# Altium PCB Copy of DIOT_temperature_logger.PcbDoc (part 6 of 7) (continued)
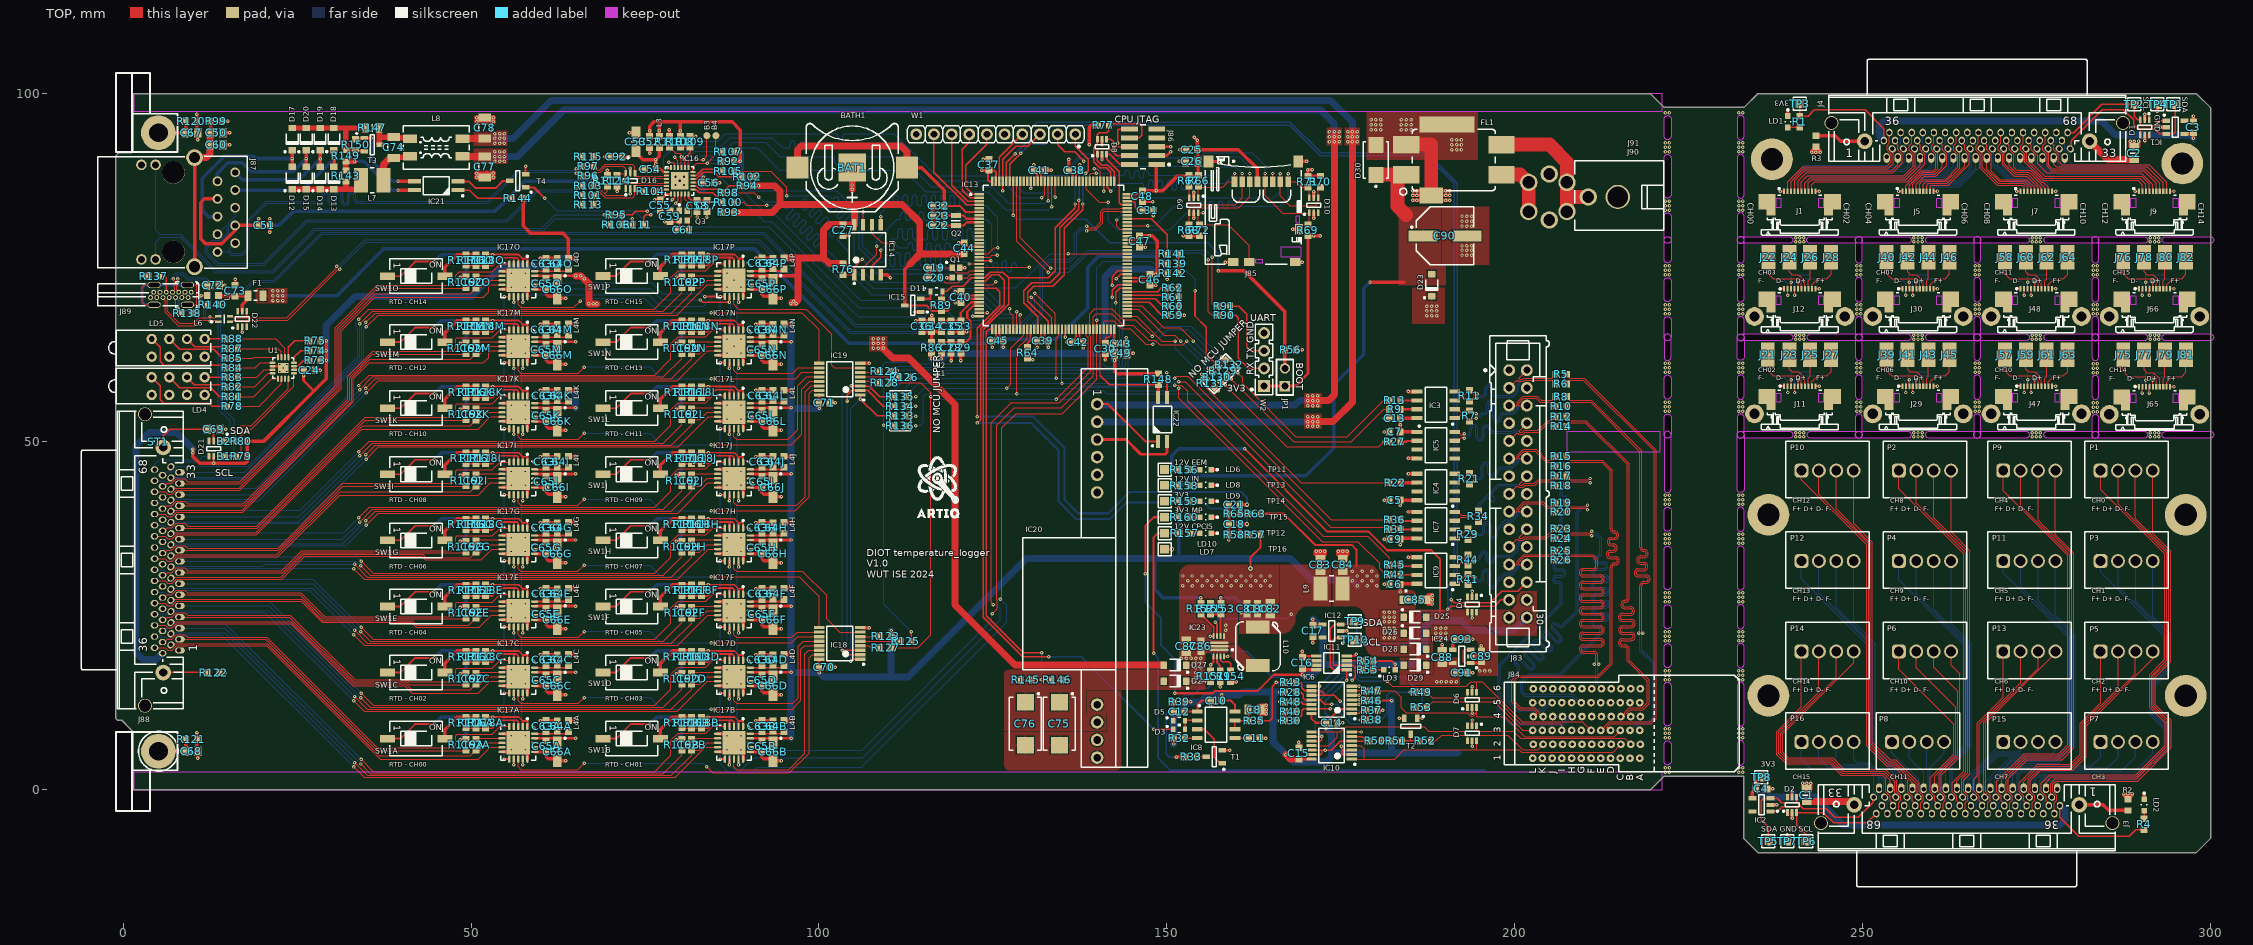
[diagram p0: TOP view]
## Nets (pads, with @x,y where several pads share a name; then routed paths per layer and width w, separated by ;. In a path a pad name is that pad's centre, name@x,y a point inside that pad or via, vN(x,y) a via of type N, cw(c..) or ccw(c..) an arc to the next point about the centre after c; other vN are vias at no path point) (continued)
RMII_RXD0: IC13.44 R98.1 | length 66
  TOP w0.171: R98.1@87.8,85.8 90.725,85.8 v1(91.35,85.175) ; IC13.44@128.45,66.175 v1(128.45,68.7)
  BOT w0.171: v1(91.35,85.175) 92.05,84.475 96.992,84.475 97.112,84.475 ccw(c97.112,85.054) 97.521,84.644 97.69,84.812 cw(c97.93,84.572) 98.17,84.812 cw(c97.93,84.572) 98.17,84.333 97.731,83.893 ccw(c97.97,83.654) 97.731,83.414 ccw(c97.97,83.654) 98.21,83.414 98.904,84.107 cw(c99.144,83.867) 99.384,84.107 cw(c99.144,83.867) 99.384,83.628 98.69,82.934 ccw(c98.93,82.694) 98.69,82.454 ccw(c98.93,82.694) 99.17,82.454 99.864,83.148 cw(c100.104,82.908) 100.344,83.148 cw(c100.104,82.908) 100.344,82.668 99.65,81.974 ccw(c99.89,81.734) 99.65,81.494 ccw(c99.89,81.734) 100.13,81.494 100.824,82.188 cw(c101.064,81.948) 101.304,82.188 cw(c101.064,81.948) 101.304,81.708 100.61,81.014 ccw(c100.85,80.774) 100.61,80.534 ccw(c100.85,80.774) 101.09,80.534 101.783,81.228 cw(c102.023,80.988) 102.263,81.228 cw(c102.023,80.988) 102.263,80.748 101.57,80.054 ccw(c101.81,79.815) 101.57,79.575 ccw(c101.81,79.815) 102.049,79.575 102.528,80.053 cw(c102.768,79.813) 103.008,80.053 cw(c102.768,79.813) 103.008,79.574 102.77,79.335 ccw(c103.01,79.095) 102.77,78.855 104.352,77.273 104.412,77.212 104.412,75.463 107.8,72.075 122.725,72.075 126.475,68.325 128.075,68.325 v1(128.45,68.7)
RMII_RXD1: IC13.45 R100.1 | length 66.1
  TOP w0.171: R100.1@87.8,84.4 89.175,84.4 89.575,84 v1(92.5,84) ; IC13.45@128.95,66.175 v1(128.95,68.225)
  BOT w0.171: v1(92.5,84) 94.725,84 95.063,83.662 95.123,83.602 ccw(c95.363,83.842) 95.603,83.602 95.668,83.667 cw(c95.908,83.427) 96.148,83.667 cw(c95.908,83.427) 96.148,83.187 95.422,82.461 ccw(c95.662,82.221) 95.422,81.981 ccw(c95.662,82.221) 95.902,81.981 96.628,82.707 cw(c96.868,82.467) 97.108,82.707 cw(c96.868,82.467) 97.108,82.227 96.381,81.501 ccw(c96.621,81.261) 96.381,81.021 ccw(c96.621,81.261) 96.861,81.021 97.587,81.747 cw(c97.827,81.508) 98.067,81.747 cw(c97.827,81.508) 98.067,81.268 97.341,80.541 ccw(c97.581,80.302) 97.341,80.062 ccw(c97.581,80.302) 97.821,80.062 98.547,80.788 cw(c98.787,80.548) 99.027,80.788 cw(c98.787,80.548) 99.027,80.308 98.301,79.582 ccw(c98.541,79.342) 98.301,79.102 ccw(c98.541,79.342) 98.781,79.102 99.507,79.828 cw(c99.747,79.588) 99.987,79.828 cw(c99.747,79.588) 99.987,79.348 99.261,78.622 ccw(c99.501,78.382) 99.261,78.142 ccw(c99.501,78.382) 99.741,78.142 100.343,78.745 cw(c100.583,78.505) 100.823,78.745 cw(c100.583,78.505) 100.823,78.265 100.402,77.843 ccw(c100.642,77.603) 100.402,77.364 ccw(c100.642,77.603) 100.882,77.364 cw(c101.122,77.124) 101.361,77.364 105.945,72.78 106.005,72.72 107.625,71.1 122.65,71.1 125.95,67.8 128.525,67.8 v1(128.95,68.225)
RMII_TX_EN: IC13.126 IC16.16 | length 65.3
  TOP w0.171: v1(79.275,90.9) 79.75,90.425 IC16.16@79.75,89.4 ; v1(133.95,85.125) IC13.126@133.95,87.425
  BOT w0.171: v1(79.275,90.9) 79.275,91.375 81.075,93.175 85.475,93.175 86.575,94.275 101.673,94.275 102.437,94.275 cw(c102.437,93.936) 102.777,93.936 102.777,93.719 ccw(c103.116,93.719) 103.116,93.38 ccw(c103.116,93.719) 103.455,93.719 103.455,93.936 cw(c103.794,93.936) 103.794,94.275 109.052,94.275 110.85,94.275 116.9,88.225 127.05,88.225 129.45,85.825 133.25,85.825 v1(133.95,85.125)
RMII_TXD0: IC13.128 IC16.17 | length 65.4
  TOP w0.171: v1(78.425,90.15) 79.035,90.15 79.25,89.935 IC16.17@79.25,89.4 ; v1(132.95,84.65) IC13.128@132.95,87.425
  BOT w0.171: v1(78.425,90.15) 78.514,90.15 78.639,90.025 80.45,90.025 82.15,91.725 86.4,91.725 87.7,93.025 92.4,93.025 94.475,90.95 101.198,90.95 101.962,90.95 cw(c101.962,90.611) 102.302,90.611 102.302,90.217 ccw(c102.641,90.217) 102.641,89.878 ccw(c102.641,90.217) 102.98,90.217 102.98,90.611 cw(c103.32,90.611) 103.32,90.95 105.889,90.95 111.875,90.95 116.15,86.675 124.95,86.675 127.325,84.3 132.6,84.3 v1(132.95,84.65)
RMII_TXD1: IC13.127 IC16.18 | length 65.8
  TOP w0.171: v1(78.275,89.4) IC16.18@78.75,89.4 ; v1(133.45,83.775) IC13.127@133.45,87.425
  BOT w0.171: v1(78.275,89.4) 80.825,89.4 82.55,91.125 87.125,91.125 88.25,92.25 91.125,92.25 94.325,89.05 97.08,89.05 97.844,89.05 cw(c97.844,88.711) 98.183,88.711 98.183,88.362 ccw(c98.523,88.362) 98.523,88.022 ccw(c98.523,88.362) 98.862,88.362 98.862,88.711 cw(c99.201,88.711) 99.201,89.05 103.998,89.05 112.3,89.05 115.4,85.95 124.275,85.95 126.85,83.375 133.05,83.375 v1(133.45,83.775)
RST: IC8.3 T1.1 | length 7.1
  TOP w0.2: IC8.3@154.4,8.665 155.41,8.665 156.825,7.25 156.825,4.65 157.725,3.75 T1.1@157.975,3.75
RSTn: D3.1 D11.2 IC13.25 J86.10 R89.1 | length 132.9
  TOP w0.2: R89.1@117.6,70.4 117.75,70.55 D11.2@117.75,71.6 118.375,71.6 119.15,72.375 120.725,72.375 121.9,73.55 IC13.25@123.075,73.55 123.825,73.55 124.65,74.375 126.448,74.375 127.273,73.55 ; v1(133.05,19.1) 129.3,19.1 123.625,24.775 123.625,66.125 125.025,67.525 125.029,67.525 126.653,69.149 126.653,69.153 127.273,69.773 127.273,73.55 ; v1(136.875,84.175) 136.875,83.625 134,80.75 134,74.6 132.95,73.55 127.273,73.55 ; v1(142.95,92.925) 142.95,94.772 143.118,94.94 J86.10@144.65,94.94 ; v1(148.125,8.665) 148.165,8.625 148.225,8.625 148.265,8.665 D3.1@150.95,8.665
  BOT w0.152: v1(136.875,84.175) 136.875,90.025 137.675,90.825 139.5,90.825 140.525,89.8 141.2,89.8 142.95,91.55 v1(142.95,92.925)
  BOT w0.2: v1(133.05,19.1) 137.69,19.1 v1(148.125,8.665)
RTDIN_N00: C62A.1 IC17A.8 J88.2 | length 55.1
  TOP w0.152: J88.2@6.85,20.795 6.984,20.929 20.716,20.929 36.82,4.825 49.9,4.825 C62A.1@50.7,5.625 51.325,5.625 52.425,6.725 IC17A.8@54.45,6.725
RTDIN_N01: C62B.1 IC17B.8 J88.4 | length 89.5
  TOP w0.152: v1(33.25,3.875) 35.097,2.028 78.806,2.028 81.7,4.921 C62B.1@81.7,5.625 82.85,5.625 83.95,6.725 IC17B.8@85.45,6.725
  BOT w0.152: J88.4@6.85,22.395 6.984,22.529 14.596,22.529 v1(33.25,3.875)
RTDIN_N02: C62C.1 IC17C.8 J88.6 | length 52.5
  TOP w0.152: J88.6@6.85,23.995 6.984,24.129 24.171,24.129 33.104,15.196 40.617,15.196 41.488,14.325 49.9,14.325 C62C.1@50.7,15.125 51.325,15.125 52.425,16.225 IC17C.8@54.45,16.225
RTDIN_N03: C62D.1 IC17D.8 J88.8 | length 127.9
  TOP w0.152: v1(33.25,13.375) 35.097,11.528 37.411,11.528 ; 78.397,11.528 37.411,11.528 ; IC17D.8@85.45,16.225 83.95,16.225 82.85,15.125 C62D.1@81.7,15.125 81.7,14.421 78.806,11.528 37.411,11.528
  BOT w0.152: J88.8@6.85,25.595 6.984,25.729 20.896,25.729 v1(33.25,13.375)
RTDIN_N04: C62E.1 IC17E.8 J88.10 | length 50.1
  TOP w0.152: J88.10@6.85,27.195 6.984,27.329 25.68,27.329 28.714,24.296 41.531,24.296 42.223,23.604 49.679,23.604 C62E.1@50.7,24.625 51.325,24.625 52.425,25.725 IC17E.8@54.45,25.725
RTDIN_N05: C62F.1 IC17F.8 J88.12 | length 84.3
  TOP w0.152: v1(33.25,22.875) 35.097,21.028 78.806,21.028 81.7,23.921 C62F.1@81.7,24.625 82.85,24.625 83.95,25.725 IC17F.8@85.45,25.725
  BOT w0.152: J88.12@6.85,28.795 6.983,28.928 27.197,28.928 v1(33.25,22.875)
RTDIN_N06: C62G.1 IC17G.8 J88.14 | length 50
  TOP w0.152: J88.14@6.85,30.395 6.984,30.529 22.679,30.529 25.946,33.796 43.029,33.796 43.5,33.325 49.9,33.325 C62G.1@50.7,34.125 51.325,34.125 52.425,35.225 IC17G.8@54.45,35.225
RTDIN_N07: C62H.1 IC17H.8 J88.16 | length 81.9
  TOP w0.152: v1(33.25,32.375) 35.097,30.528 78.806,30.528 81.7,33.421 C62H.1@81.7,34.125 82.85,34.125 83.95,35.225 IC17H.8@85.45,35.225
  BOT w0.152: J88.16@6.85,31.995 6.983,32.128 20.079,32.128 20.327,32.375 v1(33.25,32.375)
RTDIN_N08: C62I.1 IC17I.8 J88.18 | length 52.2
  TOP w0.152: J88.18@6.85,33.595 6.984,33.729 22.104,33.729 31.2,42.825 49.9,42.825 C62I.1@50.7,43.625 51.325,43.625 52.425,44.725 IC17I.8@54.45,44.725
RTDIN_N09: C62J.1 IC17J.8 J88.20 | length 83
  TOP w0.152: v1(34.886,38.66) 36.254,40.028 36.878,40.028 78.806,40.028 81.7,42.921 C62J.1@81.7,43.625 82.85,43.625 83.95,44.725 IC17J.8@85.45,44.725
  BOT w0.152: J88.20@6.85,35.195 6.984,35.329 31.556,35.329 v1(34.886,38.66)
RTDIN_N10: C62K.1 IC17K.8 J88.22 | length 54.8
  TOP w0.152: J88.22@6.85,36.795 6.984,36.929 19.029,36.929 34.425,52.325 49.9,52.325 C62K.1@50.7,53.125 51.325,53.125 52.425,54.225 IC17K.8@54.45,54.225
RTDIN_N11: C62L.1 IC17L.8 J88.24 | length 85.6
  TOP w0.152: v1(34.886,48.16) 36.254,49.528 36.878,49.528 78.806,49.528 81.7,52.421 C62L.1@81.7,53.125 82.85,53.125 83.95,54.225 IC17L.8@85.45,54.225
  BOT w0.152: J88.24@6.85,38.395 6.984,38.529 25.256,38.529 v1(34.886,48.16)
RTDIN_N12: C62M.1 IC17M.8 J88.26 | length 59.4
  TOP w0.152: J88.26@6.85,39.995 6.984,40.129 17.1,40.129 32.821,55.85 32.821,59.171 35.475,61.825 49.9,61.825 C62M.1@50.7,62.625 51.325,62.625 52.425,63.725 IC17M.8@54.45,63.725
RTDIN_N13: C62N.1 IC17N.8 J88.28 | length 88.2
  TOP w0.152: v1(34.886,57.66) 36.254,59.028 36.878,59.028 78.806,59.028 81.7,61.921 C62N.1@81.7,62.625 82.85,62.625 83.95,63.725 IC17N.8@85.45,63.725
  BOT w0.152: J88.28@6.85,41.595 6.984,41.729 18.956,41.729 v1(34.886,57.66)
RTDIN_N14: C62O.1 IC17O.8 J88.30 | length 64.9
  TOP w0.152: J88.30@6.85,43.195 6.984,43.329 16.654,43.329 31.046,57.721 31.046,66.121 36.225,71.3 49.9,71.3 C62O.1@50.7,72.1 51.325,72.1 52.425,73.2 IC17O.8@54.45,73.2
RTDIN_N15: C62P.1 IC17P.8 J88.32 | length 93.5
  TOP w0.152: v1(34.886,67.16) 36.206,68.479 78.758,68.479 81.7,71.421 C62P.1@81.7,72.125 82.85,72.125 83.95,73.225 IC17P.8@85.45,73.225
  BOT w0.152: J88.32@6.85,44.795 6.984,44.929 17.234,44.929 34.266,61.961 34.266,66.539 v1(34.886,67.16)
RTDIN_P00: C62A.2 IC17A.7 J88.3 R119A.2 | length 53.6
  TOP w0.152: J88.3@8,21.595 20.505,21.595 36.525,5.575 49.3,5.575 R119A.2@49.3,5.625 R119A.2@49.3,5.825 ; R119A.2@49.35,5.625 50.276,6.551 C62A.2@50.276,6.826 ; C62A.2@50.7,7.225 50.85,7.375 IC17A.7@54.45,7.375
RTDIN_P01: C62B.2 IC17B.7 J88.5 R119B.2 | length 88.8
  TOP w0.152: v1(34.15,3.675) 35.518,2.307 77.661,2.307 80.3,4.946 R119B.2@80.3,5.625 80.35,5.625 81.276,6.551 81.276,6.826 81.675,7.225 C62B.2@81.7,7.225 81.85,7.375 IC17B.7@85.45,7.375
  BOT w0.152: J88.5@8,23.195 14.63,23.195 v1(34.15,3.675)
RTDIN_P02: C62C.2 IC17C.7 J88.7 R119C.2 | length 51
  TOP w0.152: J88.7@8,24.795 23.9,24.795 33.22,15.475 40.733,15.475 41.133,15.075 49.3,15.075 R119C.2@49.3,15.125 R119C.2@49.3,15.325 ; R119C.2@49.35,15.125 50.276,16.051 C62C.2@50.276,16.326 ; C62C.2@50.7,16.725 50.85,16.875 IC17C.7@54.45,16.875
RTDIN_P03: C62D.2 IC17D.7 J88.9 R119D.2 | length 86.2
  TOP w0.152: v1(34.15,13.175) 35.518,11.807 77.661,11.807 80.3,14.446 R119D.2@80.3,15.125 80.35,15.125 81.276,16.051 81.276,16.326 81.675,16.725 C62D.2@81.7,16.725 81.85,16.875 IC17D.7@85.45,16.875
  BOT w0.152: J88.9@8,26.395 20.93,26.395 v1(34.15,13.175)
RTDIN_P04: C62E.2 IC17E.7 J88.11 R119E.2 | length 48.4
  TOP w0.152: J88.11@8,27.995 25.41,27.995 28.83,24.575 49.3,24.575 R119E.2@49.3,24.625 R119E.2@49.3,24.725 ; R119E.2@49.35,24.625 50.276,25.551 C62E.2@50.276,25.826 ; C62E.2@50.7,26.125 C62E.2@50.7,26.225 50.85,26.375 IC17E.7@54.45,26.375
RTDIN_P05: C62F.2 IC17F.7 J88.13 R119F.2 | length 83.5
  TOP w0.152: v1(34.15,22.675) 35.518,21.307 77.661,21.307 80.3,23.946 R119F.2@80.3,24.625 80.35,24.625 81.276,25.551 81.276,25.826 81.675,26.225 C62F.2@81.7,26.225 81.85,26.375 IC17F.7@85.45,26.375
  BOT w0.152: J88.13@8,29.595 27.23,29.595 v1(34.15,22.675)
RTDIN_P06: C62G.2 IC17G.7 J88.15 R119G.2 | length 47.7
  TOP w0.152: J88.15@8,31.195 22.92,31.195 25.8,34.075 R119G.2@49.3,34.075 ; R119G.2@49.35,34.162 50.276,35.089 C62G.2@50.276,35.364 ; C62G.2@50.85,35.875 IC17G.7@54.45,35.875
RTDIN_P07: C62H.2 IC17H.7 J88.17 R119H.2 | length 81
  TOP w0.152: v1(34.15,32.175) 35.518,30.807 77.661,30.807 80.3,33.446 R119H.2@80.3,34.125 80.35,34.125 81.276,35.051 81.276,35.326 81.675,35.725 C62H.2@81.7,35.725 81.85,35.875 IC17H.7@85.45,35.875
  BOT w0.152: J88.17@8,32.795 21.074,32.795 21.111,32.832 33.493,32.832 v1(34.15,32.175)
RTDIN_P08: C62I.2 IC17I.7 J88.19 R119I.2 | length 50.5
  TOP w0.152: J88.19@8,34.395 22.375,34.395 31.555,43.575 R119I.2@49.3,43.575 ; R119I.2@49.35,43.662 50.276,44.589 C62I.2@50.276,44.864 ; C62I.2@50.7,45.225 50.85,45.375 IC17I.7@54.45,45.375
RTDIN_P09: C62J.2 IC17J.7 J88.21 R119J.2 | length 81.9
  TOP w0.152: v1(33.986,38.46) 35.834,40.307 36.79,40.307 77.661,40.307 80.3,42.946 R119J.2@80.3,43.625 80.35,43.625 81.276,44.551 81.276,44.826 81.675,45.225 C62J.2@81.7,45.225 81.85,45.375 IC17J.7@85.45,45.375
  BOT w0.152: J88.21@8,35.995 31.522,35.995 v1(33.986,38.46)
RTDIN_P10: C62K.2 IC17K.7 J88.23 R119K.2 | length 53.4
  TOP w0.152: J88.23@8,37.595 19.3,37.595 34.78,53.075 49.3,53.075 R119K.2@49.3,53.125 R119K.2@49.3,53.325 ; R119K.2@49.35,53.125 50.276,54.051 C62K.2@50.276,54.326 ; C62K.2@50.7,54.725 50.85,54.875 IC17K.7@54.45,54.875
RTDIN_P11: C62L.2 IC17L.7 J88.25 R119L.2 | length 84.5
  TOP w0.152: v1(33.986,47.96) 35.834,49.807 36.79,49.807 77.661,49.807 80.3,52.446 R119L.2@80.3,53.125 80.35,53.125 81.276,54.051 81.276,54.326 81.675,54.725 C62L.2@81.7,54.725 81.85,54.875 IC17L.7@85.45,54.875
  BOT w0.152: J88.25@8,39.195 25.222,39.195 v1(33.986,47.96)
RTDIN_P12: C62M.2 IC17M.7 J88.27 R119M.2 | length 57.9
  TOP w0.152: J88.27@8,40.795 17.37,40.795 32.541,55.966 32.541,59.286 35.83,62.575 49.3,62.575 R119M.2@49.3,62.625 R119M.2@49.3,62.825 ; R119M.2@49.35,62.625 50.276,63.551 C62M.2@50.276,63.826 ; C62M.2@50.7,64.225 50.85,64.375 IC17M.7@54.45,64.375
RTDIN_P13: C62N.2 IC17N.7 J88.29 R119N.2 | length 87.1
  TOP w0.152: v1(33.986,57.46) 35.834,59.307 36.79,59.307 77.661,59.307 80.3,61.946 R119N.2@80.3,62.625 80.35,62.625 81.276,63.551 81.276,63.826 81.675,64.225 C62N.2@81.7,64.225 81.85,64.375 IC17N.7@85.45,64.375
  BOT w0.152: J88.29@8,42.395 18.922,42.395 v1(33.986,57.46)
RTDIN_P14: C62O.2 IC17O.7 J88.31 R119O.2 | length 63.5
  TOP w0.152: J88.31@8,43.995 16.895,43.995 30.75,57.85 30.75,66.25 36.55,72.05 49.3,72.05 R119O.2@49.3,72.1 R119O.2@49.3,72.3 ; R119O.2@49.35,72.1 50.276,73.026 C62O.2@50.276,73.301 ; C62O.2@50.7,73.7 50.85,73.85 IC17O.7@54.45,73.85
RTDIN_P15: C62P.2 IC17P.7 J88.33 R119P.2 | length 92.6
  TOP w0.152: v1(33.986,66.96) 35.786,68.759 77.612,68.759 80.3,71.446 R119P.2@80.3,72.125 80.35,72.125 81.276,73.051 81.276,73.326 81.675,73.725 C62P.2@81.7,73.725 81.85,73.875 IC17P.7@85.45,73.875
  BOT w0.152: J88.33@8,45.595 17.505,45.595 33.986,62.077 v1(33.986,66.96)
Rx: R90.2 W2.2 | length 11.8
  TOP w0.2: R90.2@158.8,68.2 R90.2@159.1,68.2 159.925,68.2 160.3,67.825 160.3,62.025 161.785,60.54 W2.2@164,60.54
RXD: IC13.137 R90.1 | length 48.7
  TOP w0.127: IC13.137@128.45,87.425 128.45,78.85 v1(132.95,74.35) ; v1(156,76.15) 156,68.72 156.52,68.2 R90.1@157.5,68.2
  BOT w0.152: v1(132.95,74.35) 135.95,74.35 138.775,77.175 154.975,77.175 v1(156,76.15)
SD_CK: D10.1 IC13.113 J85.5 R69.1 | length 42.2
  TOP w0.171: v1(139.575,89.25) 139.975,89.25 140.45,88.775 IC13.113@140.45,87.425 ; v1(164.15,88.559) J85.5@164.15,87.4 164.15,85.375 166.65,82.875 170.475,82.875 D10.1@170.5,82.9 170.5,81.4 R69.1@170.3,81.2
  BOT w0.171: v1(139.575,89.25) 141.6,89.25 143.175,90.825 154.675,90.825 155.375,91.525 162.325,91.525 164.15,89.7 v1(164.15,88.559)
SD_CMD: D9.4 IC13.116 J85.3 R68.1 | length 41.6
  TOP w0.171: IC13.116@138.95,87.425 138.95,88.4 139.125,88.575 v1(139.9,88.575) ; R68.1@153.2,81.2 153.25,81.25 D9.4@153.25,82.9 153.25,83.475 153.425,83.65 160.35,83.65 161.95,85.25 J85.3@161.95,87.4 v1(161.95,88.559)
  BOT w0.171: v1(139.9,88.575) 141.65,88.575 142.65,89.575 155.175,89.575 156.6,91 160.425,91 161.95,89.475 v1(161.95,88.559)
SD_D0: D10.4 IC13.98 J85.7 R70.1 | length 42.1
  TOP w0.171: v1(142.825,81.875) 142.825,80.95 143.225,80.55 IC13.98@144.325,80.55 ; v1@166.35,88.559 v1(166.35,88.509) J85.7@166.35,87.4 166.35,85.325 167.725,83.95 171.425,83.95 171.8,84.325 D10.4@171.8,85.1 171.8,86.3 R70.1@172.1,86.6
  BOT w0.171: v1(142.825,81.875) 146,85.05 165.4,85.05 166.35,86 v1(166.35,88.509)
SD_D1: D10.6 IC13.99 J85.8 R71.1 | length 41.2
  TOP w0.171: IC13.99@144.325,81.05 v1(147.25,81.05) ; v1@167.45,88.559 v1(167.45,88.509) J85.8@167.45,87.4 168.55,87.4 169.35,86.6 R71.1@170.3,86.6 170.5,86.4 D10.6@170.5,85.1
  BOT w0.171: v1(147.25,81.05) 148.275,81.05 151.075,83.85 152.892,83.85 152.978,83.85 ccw(c152.978,84.189) 153.317,84.189 153.317,84.21 cw(c153.656,84.21) 153.656,84.549 cw(c153.656,84.21) 153.996,84.21 153.996,83.822 ccw(c154.335,83.822) 154.335,83.483 ccw(c154.335,83.822) 154.674,83.822 154.674,84.21 cw(c155.014,84.21) 155.014,84.549 cw(c155.014,84.21) 155.353,84.21 155.353,83.822 ccw(c155.692,83.822) 155.692,83.483 ccw(c155.692,83.822) 156.032,83.822 156.032,84.21 cw(c156.371,84.21) 156.371,84.549 cw(c156.371,84.21) 156.71,84.21 156.71,83.822 ccw(c157.05,83.822) 157.05,83.483 ccw(c157.05,83.822) 157.389,83.822 157.389,84.21 cw(c157.728,84.21) 157.728,84.549 cw(c157.728,84.21) 158.068,84.21 158.068,83.822 ccw(c158.407,83.822) 158.407,83.483 ccw(c158.407,83.822) 158.746,83.822 158.746,84.21 cw(c159.086,84.21) 159.086,84.549 cw(c159.086,84.21) 159.425,84.21 159.425,84.189 ccw(c159.764,84.189) 159.764,83.85 160.233,83.85 166.3,83.85 167.45,85 v1(167.45,88.509)
SD_D2: D9.1 IC13.111 J85.1 R66.1 | length 41.3
  TOP w0.171: D9.1@154.55,85.1 154.55,86.55 R66.1@154.6,86.6 ; R66.1@154.7,86.6 158.05,86.6 158.85,87.4 J85.1@159.75,87.4 v1(159.75,88.559)
  TOP w0.2: IC13.111@141.45,87.425 141.45,86.55 v1(141.975,86.025)
  BOT w0.171: v1(141.975,86.025) 143.125,87.175 145.608,87.175 146.372,87.175 cw(c146.372,86.836) 146.711,86.836 146.711,86.547 ccw(c147.05,86.547) 147.05,86.208 ccw(c147.05,86.547) 147.39,86.547 147.39,87.244 cw(c147.729,87.244) 147.729,87.583 cw(c147.729,87.244) 148.068,87.244 148.068,86.902 ccw(c148.408,86.902) 148.408,86.562 ccw(c148.408,86.902) 148.747,86.902 148.747,87.244 cw(c149.086,87.244) 149.086,87.583 cw(c149.086,87.244) 149.426,87.244 149.426,86.547 ccw(c149.765,86.547) 149.765,86.208 ccw(c149.765,86.547) 150.104,86.547 150.104,87.244 cw(c150.444,87.244) 150.444,87.583 cw(c150.444,87.244) 150.783,87.244 150.783,86.547 ccw(c151.122,86.547) 151.122,86.208 ccw(c151.122,86.547) 151.462,86.547 151.462,87.244 cw(c151.801,87.244) 151.801,87.583 cw(c151.801,87.244) 152.14,87.244 152.14,86.547 ccw(c152.48,86.547) 152.48,86.208 ccw(c152.48,86.547) 152.819,86.547 152.819,87.244 cw(c153.158,87.244) 153.158,87.583 cw(c153.158,87.244) 153.498,87.244 153.498,86.652 ccw(c153.837,86.652) 153.837,86.312 ccw(c153.837,86.652) 154.176,86.652 154.176,87.215 cw(c154.516,87.215) 154.516,87.554 cw(c154.516,87.215) 154.855,87.215 154.855,86.836 ccw(c155.194,86.836) 155.194,86.496 ccw(c155.194,86.836) 155.533,86.836 cw(c155.873,86.836) 155.873,87.175 158.067,87.175 158.366,87.175 v1(159.75,88.559)
SD_D3: D9.3 IC13.112 J85.2 R67.1 | length 41.3
  TOP w0.171: R67.1@153.2,86.6 153.25,86.55 D9.3@153.25,85.1 153.25,84.275 153.45,84.075 159.85,84.075 160.85,85.075 J85.2@160.85,87.4 v1(160.85,88.559)
  TOP w0.2: v1@140.95,86.075 IC13.112@140.95,87.425
  BOT w0.171: v1@140.95,86.075 140.95,86.725 142.5,88.275 143.565,88.275 143.65,88.275 ccw(c143.65,88.614) 143.99,88.614 143.99,88.63 cw(c144.329,88.63) 144.329,88.969 cw(c144.329,88.63) 144.668,88.63 144.668,88.248 ccw(c145.008,88.248) 145.008,87.909 ccw(c145.008,88.248) 145.347,88.248 145.347,88.63 cw(c145.686,88.63) 145.686,88.969 cw(c145.686,88.63) 146.026,88.63 146.026,88.248 ccw(c146.365,88.248) 146.365,87.909 ccw(c146.365,88.248) 146.704,88.248 146.704,88.63 cw(c147.044,88.63) 147.044,88.969 cw(c147.044,88.63) 147.383,88.63 147.383,88.614 ccw(c147.722,88.614) 147.722,88.275 149.864,88.275 156.65,88.275 157.9,89.525 159.884,89.525 v1(160.85,88.559)
  other v1: 140.95,86.025
SD_SW: D9.6 IC13.117 J85.12 R72.1 | length 36.2
  TOP w0.171: IC13.117@138.45,87.425 138.45,86.275 140.3,84.425 v1(141.625,84.425) ; v1(155.25,82.9) D9.6@154.55,82.9 154.55,81.35 R72.1@154.7,81.2 158.85,81.2 161.85,78.2 J85.12@161.85,75.825
  BOT w0.171: v1(141.625,84.425) 141.625,81.75 142.925,80.45 150.449,80.45 152.899,82.9 v1(155.25,82.9)
SERVMOD: IC10.5 IC10.6 IC10.12 IC10.13 R50.2 | length 13.2
  TOP w0.2: IC10.13@170.8,5.025 172.05,5.025 172.271,5.246 172.271,5.675 ; IC10.12@170.8,5.675 172.271,5.675 ; IC10.6@176.6,7.625 178.125,7.625 178.375,7.375 178.375,6.975 ; R50.2@179.2,7 179.175,6.975 178.375,6.975 ; 172.271,5.675 v1(172.8,5.675) 173.675,5.675 174.975,6.975 IC10.5@176.6,6.975 178.375,6.975
SPI1_MISO: IC13.42
SPI1_MOSI: IC13.135
SPI1_NSS: IC13.40
SPI1_SCK: IC13.41
SPI4_CLK: IC13.65 IC17A.12 IC17B.12 IC17C.12 IC17D.12 IC17E.12 IC17F.12 IC17G.12 IC17H.12 IC17I.12 IC17J.12 IC17K.12 IC17L.12 IC17M.12 IC17N.12 IC17O.12 IC17P.12 R132.1 | length 307.6
  TOP w0.152: v1(125.05,26.6) 124.775,26.875 124.775,52.7 127.65,55.575 134.55,55.575 139.1,60.125 139.1,65.008 138.95,65.158 IC13.65@138.95,66.175 138.95,68.425 139.625,69.1 142.1,69.1 143.65,67.55 145.484,67.55 v1(147.905,65.13)
  TOP w0.254: v1(56.15,3.55) IC17A.12@56.15,4.375 ; v1(56.15,13.05) IC17C.12@56.15,13.875 ; v1(56.15,22.55) IC17E.12@56.15,23.375 ; v1(56.15,32.05) IC17G.12@56.15,32.875 ; v1(56.15,41.55) IC17I.12@56.15,42.375 ; v1(56.15,51.05) IC17K.12@56.15,51.875 ; v1(56.15,60.55) IC17M.12@56.15,61.375 ; v1(56.15,70.025) IC17O.12@56.15,70.85 ; v1(82.975,70.375) 83.3,70.05 v1(87.15,70.05) IC17P.12@87.15,70.875 ; v1(87.15,3.55) IC17B.12@87.15,4.375 ; v1(87.15,13.05) IC17D.12@87.15,13.875 ; v1(87.15,22.55) IC17F.12@87.15,23.375 ; v1(87.15,32.05) IC17H.12@87.15,32.875 ; v1(87.15,41.55) IC17J.12@87.15,42.375 ; v1(87.15,51.05) IC17L.12@87.15,51.875 ; v1(87.15,60.55) IC17N.12@87.15,61.375
  TOP w0.5: v1(157.925,62.175) R132.1@158.434,61.666
  BOT w0.152: v1(56.15,3.55) 56.15,5.357 56.308,5.515 56.308,12.823 56.15,12.981 v1(56.15,13.05) 56.15,14.857 56.308,15.015 56.308,22.323 56.15,22.481 v1(56.15,22.55) 56.15,24.357 56.308,24.515 56.308,31.823 56.15,31.981 v1(56.15,32.05) 56.15,33.857 56.308,34.015 56.308,41.323 56.15,41.481 v1(56.15,41.55) ; v1(56.15,60.55) 56.15,60.481 56.308,60.323 56.308,53.015 56.15,52.857 v1(56.15,51.05) 56.15,50.981 56.308,50.823 56.308,43.515 56.15,43.357 v1(56.15,41.55) ; v1@56.15,69.981 56.308,69.823 56.308,62.515 56.15,62.357 v1(56.15,60.55) ; v1(56.15,70.025) 56.266,70.025 58.241,72 75.825,72 77.45,70.375 v1(82.975,70.375) ; v1(87.15,70.05) 87.15,69.981 87.308,69.823 87.308,62.515 87.15,62.357 v1(87.15,60.55) 87.15,60.481 87.308,60.323 87.308,53.015 87.15,52.857 v1(87.15,51.05) 87.15,50.981 87.308,50.823 87.308,43.515 87.15,43.357 v1(87.15,41.55) 87.15,41.481 87.308,41.323 87.308,34.015 87.15,33.857 v1(87.15,32.05) 87.15,31.981 87.308,31.823 87.308,24.515 87.15,24.357 v1(87.15,22.55) 87.15,22.481 87.308,22.323 87.308,15.015 87.15,14.857 v1(87.15,13.05) 87.15,12.981 87.308,12.823 87.308,5.515 87.15,5.357 v1(87.15,3.55) 87.775,2.925 88.95,2.925 90.625,4.6 106.275,4.6 126.075,24.4 126.075,26.075 125.55,26.6 v1(125.05,26.6) ; v1(147.905,65.13) 149.35,66.575 153.525,66.575 v1(157.925,62.175)
SPI4_MISO: IC13.66 IC17A.14 IC17B.14 IC17C.14 IC17D.14 IC17E.14 IC17F.14 IC17G.14 IC17H.14 IC17I.14 IC17J.14 IC17K.14 IC17L.14 IC17M.14 IC17N.14 IC17O.14 IC17P.14 R130.1 | length 304.1
  TOP w0.152: v1(124.925,25.3) 125.625,26 125.625,27.229 125.6,27.254 125.6,52.375 128.1,54.875 134.85,54.875 139.45,59.475 IC13.66@139.45,66.175 139.45,67.975 139.85,68.375 142.125,68.375 143.75,66.75 145.225,66.75 147.395,64.58 148.35,64.58 149.005,63.925 152.35,63.925 v1(152.9,64.475)
  TOP w0.254: v1@57.45,3.425 v1(57.45,3.55) IC17A.14@57.45,4.375 ; v1@57.45,12.925 v1(57.45,13.05) IC17C.14@57.45,13.875 ; v1@57.45,22.425 v1(57.45,22.55) IC17E.14@57.45,23.375 ; v1@57.45,31.925 v1(57.45,32.05) IC17G.14@57.45,32.875 ; v1@57.45,41.425 v1(57.45,41.55) IC17I.14@57.45,42.375 ; v1@57.45,50.925 v1(57.45,51.05) IC17K.14@57.45,51.875 ; v1@57.45,60.425 v1(57.45,60.55) IC17M.14@57.45,61.375 ; v1@57.45,69.9 v1(57.45,70.025) IC17O.14@57.45,70.85 ; v1@88.45,3.425 v1(88.45,3.55) IC17B.14@88.45,4.375 ; v1@88.45,12.925 v1(88.45,13.05) IC17D.14@88.45,13.875 ; v1@88.45,22.425 v1(88.45,22.55) IC17F.14@88.45,23.375 ; v1@88.45,31.925 v1(88.45,32.05) IC17H.14@88.45,32.875 ; v1@88.45,41.425 v1(88.45,41.55) IC17J.14@88.45,42.375 ; v1@88.45,50.925 v1(88.45,51.05) IC17L.14@88.45,51.875 ; v1@88.45,60.425 v1(88.45,60.55) IC17N.14@88.45,61.375 ; v1@88.45,69.925 v1(88.45,70.05) IC17P.14@88.45,70.875
  TOP w0.5: v1(155.95,60.55) R130.1@156.609,59.891
  BOT w0.152: v1(57.45,3.55) 57.45,5.357 57.292,5.515 57.292,12.823 57.45,12.981 v1(57.45,13.05) 57.45,14.857 57.292,15.015 57.292,22.323 57.45,22.481 v1(57.45,22.55) 57.45,24.357 57.292,24.515 57.292,31.823 57.45,31.981 v1(57.45,32.05) 57.45,33.857 57.292,34.015 57.292,41.323 57.45,41.481 v1(57.45,41.55) 57.45,43.357 57.292,43.515 57.292,50.823 57.45,50.981 v1(57.45,51.05) 57.45,52.857 57.292,53.015 57.292,60.323 57.45,60.481 v1(57.45,60.55) 57.45,62.357 57.292,62.515 57.292,69.823 v1@57.45,69.981 ; v1(57.45,70.025) 58.55,71.125 75.575,71.125 77.2,69.5 83.364,69.5 85.439,71.575 87,71.575 88.45,70.125 v1(88.45,70.05) ; v1@88.45,69.981 88.292,69.823 88.292,62.515 88.45,62.357 v1(88.45,60.55) 88.45,60.481 88.292,60.323 88.292,53.015 88.45,52.857 v1(88.45,51.05) 88.45,50.981 88.292,50.823 88.292,43.515 88.45,43.357 v1(88.45,41.55) 88.45,41.481 88.292,41.323 88.292,34.015 88.45,33.857 v1(88.45,32.05) 88.45,31.981 88.292,31.823 88.292,24.515 88.45,24.357 v1(88.45,22.55) 88.45,22.481 88.292,22.323 88.292,15.015 88.45,14.857 v1(88.45,13.05) 88.45,12.981 88.292,12.823 88.292,5.515 88.45,5.357 v1(88.45,3.55) 90.575,5.675 106.225,5.675 124.875,24.325 124.875,25.25 v1(124.925,25.3) ; v1(152.9,64.475) 155.95,61.425 v1(155.95,60.55)
SPI4_MOSI: IC13.67 IC17A.11 IC17B.11 IC17C.11 IC17D.11 IC17E.11 IC17F.11 IC17G.11 IC17H.11 IC17I.11 IC17J.11 IC17K.11 IC17L.11 IC17M.11 IC17N.11 IC17O.11 IC17P.11 R129.1 | length 328.4
  TOP w0.152: v1(126.1,27.35) 126.325,27.575 126.325,52.025 128.35,54.05 135,54.05 139.95,59 IC13.67@139.95,66.175 v1(139.95,67.45)
  TOP w0.254: v1(54.8,4.375) IC17A.11@55.5,4.375 ; v1(54.8,13.875) IC17C.11@55.5,13.875 ; v1(54.8,23.375) IC17E.11@55.5,23.375 ; v1(54.8,32.875) IC17G.11@55.5,32.875 ; v1(54.8,42.375) IC17I.11@55.5,42.375 ; v1(54.8,51.875) IC17K.11@55.5,51.875 ; v1(54.8,61.375) IC17M.11@55.5,61.375 ; v1(54.8,70.85) IC17O.11@55.5,70.85 ; v1(83.6,70.871) 83.604,70.875 v1(85.8,70.875) IC17P.11@86.5,70.875 ; v1(85.8,4.375) IC17B.11@86.5,4.375 ; v1(85.8,13.875) IC17D.11@86.5,13.875 ; v1(85.8,23.375) IC17F.11@86.5,23.375 ; v1(85.8,32.875) IC17H.11@86.5,32.875 ; v1(85.8,42.375) IC17J.11@86.5,42.375 ; v1(85.8,51.875) IC17L.11@86.5,51.875 ; v1(85.8,61.375) IC17N.11@86.5,61.375 ; v1(154.075,71.7) 154.075,68.075 155.671,66.479 155.671,62.604 R129.1@157.584,60.691
  BOT w0.152: v1(54.8,61.375) v1(54.8,70.85) ; v1(54.8,4.375) v1(54.8,13.875) v1(54.8,32.875) v1(54.8,42.375) v1(54.8,51.875) v1(54.8,61.375) ; v1(54.8,70.85) 55.525,70.85 57.65,72.975 59.15,72.975 59.3,72.825 76,72.825 77.525,71.3 83.171,71.3 v1(83.6,70.871) ; v1(85.8,51.875) v1(85.8,70.875) ; v1(85.8,61.375) v1(85.8,32.875) v1(85.8,13.875) v1(85.8,4.375) 85.8,3.675 87.025,2.45 90.5,2.45 91.225,3.175 106.125,3.175 126.975,24.025 126.975,26.475 v1(126.1,27.35) ; v1(139.95,67.45) 139.95,75.025 140.85,75.925 147.875,75.925 148.975,74.825 152.6,74.825 154.075,73.35 v1(154.075,71.7)

## Text inside footprints (layer, text, board x,y; h text height)
SW1H: TopOverlay "1" at 69.925,37.73 h1 r270; TopOverlay "ON" at 74.978,37.053 h0.89; Mechanical14 "ON" at 75.64,36.714 h1 r270
SW1I: TopOverlay "1" at 38.925,47.23 h1 r270; TopOverlay "ON" at 43.978,46.553 h0.89; Mechanical14 "ON" at 44.64,46.214 h1 r270
SW1J: TopOverlay "1" at 69.925,47.23 h1 r270; TopOverlay "ON" at 74.978,46.553 h0.89; Mechanical14 "ON" at 75.64,46.214 h1 r270
SW1K: TopOverlay "1" at 38.925,56.73 h1 r270; TopOverlay "ON" at 43.978,56.053 h0.89; Mechanical14 "ON" at 44.64,55.714 h1 r270
SW1L: TopOverlay "1" at 69.925,56.73 h1 r270; TopOverlay "ON" at 74.978,56.053 h0.89; Mechanical14 "ON" at 75.64,55.714 h1 r270
SW1M: TopOverlay "1" at 38.925,66.23 h1 r270; TopOverlay "ON" at 43.978,65.553 h0.89; Mechanical14 "ON" at 44.64,65.214 h1 r270
SW1N: TopOverlay "1" at 69.925,66.23 h1 r270; TopOverlay "ON" at 74.978,65.553 h0.89; Mechanical14 "ON" at 75.64,65.214 h1 r270
SW1O: TopOverlay "1" at 38.925,75.705 h1 r270; TopOverlay "ON" at 43.978,75.028 h0.89; Mechanical14 "ON" at 44.64,74.689 h1 r270
SW1P: TopOverlay "1" at 69.925,75.73 h1 r270; TopOverlay "ON" at 74.978,75.053 h0.89; Mechanical14 "ON" at 75.64,74.714 h1 r270